# Altium PCB Copy of HV_DCDC.PcbDoc (continued)
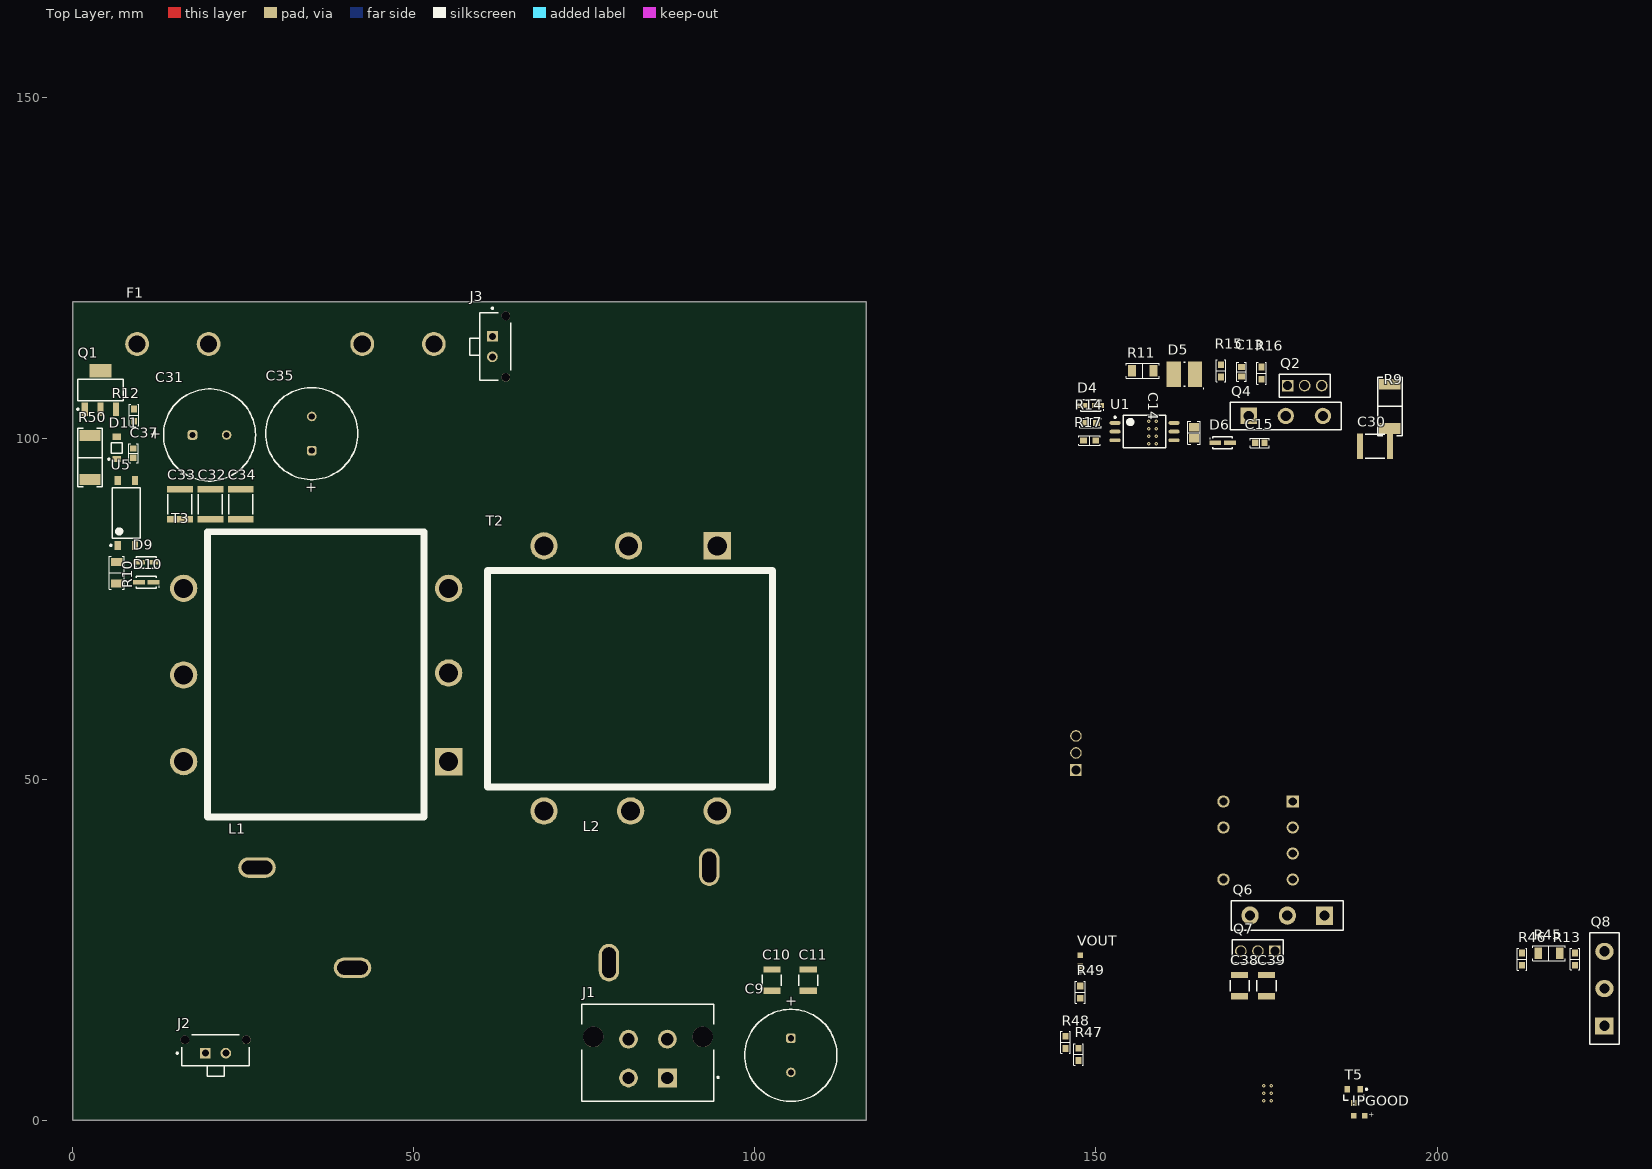
[diagram p0: Top Layer view]
## Part data
!PGOOD: library part 150060RS75000, "WL-SMCW SMT Mono-color Chip LED Waterclear, size 0603, Red, 2V, 140deg", Emitting Color=Red, Forward Voltage typ.=2V, Operating Temperature="-40 to +85degC", Chip Technology=AlInGaP, ComponentLink1Description=Manufacturer, ComponentLink1URL=http://www.we-online.de, ComponentLink2Description=Datasheet, ComponentLink2URL=https://www.we-online.com/catalog/datasheet/150060RS75000.pdf, Dominant Wavelength typ.=625nm, Luminous Intensity typ.=250mcd, Mounting Technology=SMT, Packaging="Tape and Reel", Part Number=150060RS75000, Peak Wavelength typ.=630nm, Published Date="December 2019", Publisher="Wurth Elektronik", Size=0603, Viewing Angle=140deg
C1 C2 C3 C5 C6 C13 C14 C15 C16 C17 C18 C20 C21 C22 C23 C24 C25 C26 C27 C37: "Capacitor with multiple Footprints"
C4 C7: library part 885342209007, "WCAP-CSMH Multilayer Ceramic Chip Capacitor, size 1210, X7R Class II, 22nF, 1000V", Capacitance=22nF, Capacitance Tolerance=+/-10%, Insulation Resistance=4.55GOhm, Manufacturer="Wurth Elektronik", Operating Temperature="-55 to +125degC", Rated Voltage=1000VDC, Ceramic Type="X7R Class II", ComponentLink1Description=Manufacturer, ComponentLink1URL=http://www.we-online.de, ComponentLink2Description=Datasheet, ComponentLink2URL=https://www.we-online.com/catalog/datasheet/885342209007.pdf, Dissipation Factor=2.5%, Height=1.6mm, Manufacturer Part Number=885342209007, Mounting Technology=SMT, Packaging="Tape and Reel", Published Date="May 2020", Size=1210, Technical Reference=X7R1210223KA00DFCT10000
C8 C12 C19 C28 C29 C30: library part 885342211008, "WCAP-CSMH Multilayer Ceramic Chip Capacitor, size 1812, X7R Class II, 4.7nF, 2000V", Capacitance=4.7nF, Capacitance Tolerance=+/-10%, Insulation Resistance=10GOhm, Manufacturer="Wurth Elektronik", Operating Temperature="-55 to +125degC", Rated Voltage=2000VDC, Ceramic Type="X7R Class II", ComponentLink1Description=Manufacturer, ComponentLink1URL=http://www.we-online.de, ComponentLink2Description=Datasheet, ComponentLink2URL=https://www.we-online.com/catalog/datasheet/885342211008.pdf, Dissipation Factor=2.5%, Height=2mm, Manufacturer Part Number=885342211008, Mounting Technology=SMT, Packaging="Tape and Reel", Published Date="May 2020", Size=1812, Technical Reference=X7R1812472KB00DFCT10000
C9: library part 860010478021, "WCAP-ATG8 Aluminum Electrolytic Capacitor, Radial, THT, D13xH25, 2200uF, 25V", Capacitance=2200uF, Capacitance Tolerance=+/-20%, Leakage Current=550uA, Manufacturer="Wurth Elektronik", Operating Temperature="-40 to +85degC", Rated Voltage=25VDC, Ripple Current=1705mA, ComponentLink1Description=Manufacturer, ComponentLink1URL=http://www.we-online.de, ComponentLink2Description=Datasheet, ComponentLink2URL=https://www.we-online.com/catalog/datasheet/860010478021.pdf, Diameter=13mm, Dissipation Factor=14%, Endurance=2000h, Height=25mm, Manufacturer Part Number=860010478021, Mounting Technology=THT, Packaging="Ammo Pack", Published Date="October 2020", Technical Reference=ATBI250222M025DSPACB000
C10 C11 C38 C39: library part 885012109014, "WCAP-CSGP Multilayer Ceramic Chip Capacitor, General Purpose, size 1210, X5R, 22uF, 25V", Capacitance=22uF, Capacitance Tolerance=+/-20%, Isolation Resistance  min.=0.005GOhm, Manufacturer="Wurth Elektronik", Operating Temperature="-55 to +85degC", Rated Voltage=25VDC, Ceramic Type=X5R, ComponentLink1Description=Manufacturer, ComponentLink1URL=http://www.we-online.de, ComponentLink2Description=Datasheet, ComponentLink2URL=https://www.we-online.com/catalog/datasheet/885012109014.pdf, Dissipation Factor max.=5%, Height=2.5mm, Manufacturer Part Number=885012109014, Mounting Technology=SMT, Packaging="Tape and Reel", Published Date="April 2021", Q-Factor min.=-, Size=1210, Technical Reference=X5R1210226M025DFCT10000
C31 C35: library part 860241478002, "WCAP-AT1H Aluminum Electrolytic Capacitor, Radial, THT, D13xH20mm, 6.8uF, 450V", Capacitance=6.8uF, Capacitance Tolerance=+/-20%, Leakage Current=222.4uA, Manufacturer="Wurth Elektronik", Operating Temperature="-25 to +105degC", Rated Voltage=450VDC, Ripple Current=240mA, ComponentLink1Description=Manufacturer, ComponentLink1URL=http://www.we-online.de, ComponentLink2Description=Datasheet, ComponentLink2URL=https://www.we-online.com/catalog/datasheet/860241478002.pdf, Diameter=13mm, Dissipation Factor=20%, Endurance=10000h, Height=20mm, Manufacturer Part Number=860241478002, Mounting Technology=THT, Packaging="Ammo Pack", Published Date="October 2020", Technical Reference=ATJI2006R8M450DSPACK000
C32 C33 C34: library part 885342211006, "WCAP-CSMH Multilayer Ceramic Chip Capacitor, size 1812, X7R Class II, 100nF, 630V", Capacitance=100nF, Capacitance Tolerance=+/-10%, Insulation Resistance=1GOhm, Manufacturer="Wurth Elektronik", Operating Temperature="-55 to +125degC", Rated Voltage=630VDC, Ceramic Type="X7R Class II", ComponentLink1Description=Manufacturer, ComponentLink1URL=http://www.we-online.de, ComponentLink2Description=Datasheet, ComponentLink2URL=https://www.we-online.com/catalog/datasheet/885342211006.pdf, Dissipation Factor=2.5%, Height=2mm, Manufacturer Part Number=885342211006, Mounting Technology=SMT, Packaging="Tape and Reel", Published Date="May 2020", Size=1812, Technical Reference=X7R1812104K630DFCT10000
C36: library part 885342211010, "WCAP-CSMH Multilayer Ceramic Chip Capacitor, size 1812, X7R Class II, 2.2nF, 3000V", Capacitance=2.2nF, Capacitance Tolerance=+/-10%, Insulation Resistance=10GOhm, Manufacturer="Wurth Elektronik", Operating Temperature="-55 to +125degC", Rated Voltage=3000VDC, Ceramic Type="X7R Class II", ComponentLink1Description=Manufacturer, ComponentLink1URL=http://www.we-online.de, ComponentLink2Description=Datasheet, ComponentLink2URL=https://www.we-online.com/catalog/datasheet/885342211010.pdf, Dissipation Factor=2.5%, Height=2.5mm, Manufacturer Part Number=885342211010, Mounting Technology=SMT, Packaging="Tape and Reel", Published Date="May 2020", Size=1812, Technical Reference=X7R1812222KC00DFCT10000
D1 D4 D6: library part BAT46WH, Supplier 1=Mouser
D2 D3: "Schottky 1A 200V SOD-123HE", Manufacturer="Pan Jit", Manufacturer Part Number=SS10200HE_R1_00001, Pricing 1="1=0,40000, 10=0,30100, 100=0,17040, 500=0,11286, 1000=0,08653 (USD)", RoHS=Yes, Stock 1=9000, Supplier 1=DigiKey
D5: "Silicon Ultra Fast Recovery Rectifier 1000V 30A 2-Pin SMB Surface Mount T/R", Average Rectified Current=1A, Case/Package=SMB, Forward Voltage=1.7V, Manufacturer="Central Semiconductor", Max Repetitive Reverse Voltage (Vrrm)=1kV, Max Reverse Current=5uA, Category="Rectifier Diodes", ComponentLink1Description=http://www.mouser.com/ds/2/68/cmr1u-01-34700.pdf?src-supplier=Mouser, ComponentLink1URL=http://www.mouser.com/ds/2/68/cmr1u-01-34700.pdf?src-supplier=Mouser, ComponentLink2Description=https://www.centralsemi.com/get_document.php?cmp=1&mergetype=pd&mergepath=pd&pdf_id=CMR1U-01.PDF&src-supplier=Digi-Key, ComponentLink2URL=https://www.centralsemi.com/get_document.php?cmp=1&mergetype=pd&mergepath=pd&pdf_id=CMR1U-01.PDF&src-supplier=Digi-Key, ComponentLink3Description=http://www.centralsemi.com/pdf/CMR1U-01.PDF?src-supplier=Future+Electronics, ComponentLink3URL=http://www.centralsemi.com/pdf/CMR1U-01.PDF?src-supplier=Future+Electronics, ComponentLink4Description=https://my.centralsemi.com/get_document.php?cmp=1&amp;mergetype=pd&amp;mergepath=pd&amp;pdf_id=CMR1U-01.PDF&src-supplier=Digi-Key, ComponentLink4URL=https://my.centralsemi.com/get_document.php?cmp=1&amp;mergetype=pd&amp;mergepath=pd&amp;pdf_id=CMR1U-01.PDF&src-supplier=Digi-Key, Lead Free="Lead Free", Manufacturer Part Number=CMR1U-10TR13, Max Reverse Voltage (DC)=1kV, Mount="Surface Mount", Packaging="Tape and Reel", Pricing 1="1=1,16000, 10=1,03800, 100=0,80960, 500=0,66880, 1000=0,52800 (USD)", Reverse Recovery Time=100ns, RoHS=No, RoHS Compliant=No, Supplier 1=Digi-Key
D11: library part CMP-1060-00328-1, "Zener Voltage Regulator, 500 mW, 2-Pin SOD-123, Pb-Free, Tape and Reel", Manufacturer="On Semiconductor", ComponentLink1Description="Manufacturer URL", ComponentLink1URL=http://www.onsemi.com/, ComponentLink2Description=Datasheet, ComponentLink2URL=http://www.onsemi.com/pub_link/Collateral/MMSZ4678T1-D.PDF, ComponentLink3Description="Package Specification", ComponentLink3URL=http://www.onsemi.com/pub_link/Collateral/425-04.PDF, DatasheetVersion="Rev. 9", Mounting Technology="Surface Mount", P Max (W)=0.5, PackageDescription="2-Pin SOD, Body 1.6 x 2.69 mm", PackageReference=SOD-123-2-425-04, PackageVersion="Rev. G, 10/2009", Packing="Tape and Reel", PartNumber=MMSZ4707T1G, RoHS=Pb-Free, VZ Typ (V)=20
J1: library part CMP-04776-000102-1, "CONN HEADER VERT 4POS 5.7MM", Current Rating=23A, Manufacturer=Molex, Temperature="-40°C to +120°C", Temperature Range High=+120°C, Temperature Range Low=-40°C, Voltage Rating=600V, Automotive=No, Category=Conn, ComponentLink2Description=Datasheet, ComponentLink2URL=https://www.molex.com/webdocs/datasheets/pdf/en-us/1720650004_PCB_HEADERS.pdf, Conn Gender=Male, Conn Orientation=Vertical, Contact Material=Gold,Nickel, Device Class L1=Connectors, Device Class L2="Headers and Wire Housings", Device Class L3=unset, Digikey Description="CONN HEADER VERT 4POS 5.7MM", Footprint Url=https://www.molex.com/pdm_docs/sd/1720650004_sd.pdf, Height=15.05mm, Lead Free=Yes, Manufacturer Part Number=1720650004, Mouser Description="Headers & Wire Housings Mega-Fit Vert Hdr Assy 4 ckt 15u Au", Number Of Contacts=4, Number Of Rows=2, Octopart=https://octopart.com/172065-0004-molex-34473112, Package=1720650004, Pitch=5.7mm, RoHS=TRUE
J2 J3: library part CMP-04776-000041-1, "CONN HEADER VERT 2POS 3MM", Current Rating=8.5A, Manufacturer=Molex, Package=0, Temperature="-40°C to +105°C", Temperature Range High=+105°C, Temperature Range Low=-40°C, Voltage Rating=600V, Automotive=No, Category=Conn, ComponentLink2Description=Datasheet, ComponentLink2URL=https://www.molex.com/webdocs/datasheets/pdf/en-us/0436500229_PCB_HEADERS.pdf, Conn Gender=Male, Conn Orientation=Vertical, Contact Material=Gold,Nickel, Device Class L1=Connectors, Device Class L2="Headers and Wire Housings", Device Class L3=unset, Digikey Description="CONN HEADER VERT 2POS 3MM", Footprint Url=https://www.molex.com/pdm_docs/sd/436500229_sd.pdf, Height=10.15mm, Lead Free=Yes, Manufacturer Part Number=43650-0229, Mouser Description="Headers & Wire Housings MicroFit 3.0 SR V TH Peg 30Au 2Ckt", Number Of Contacts=2, Number Of Rows=1, Octopart=https://octopart.com/43650-0229-molex-7652326, Pitch=3mm, RoHS=TRUE
L1 L2: "Shielded Power Inductors", ComponentLink1Description=Coilcraft, ComponentLink1URL=https://www.coilcraft.com/en-us/products/power/shielded-inductors/high-current-flat-wire/agp-ver/agm2222/?skuId=30439, ComponentLink2Description=Datasheet, ComponentLink2URL=https://www.coilcraft.com/getmedia/d4f4984d-2507-4e11-ae3d-89829a15fb28/agm2222.pdf
Q1: "IPN70R450P7S Series 700 V 10 A 7.1 W CoolMOS P7 Power Transistor - PG-SOT-223", Case/Package=SOT-223, Drain to Source Voltage (Vdss)=700V, Manufacturer=Infineon, Max Operating Temperature=150°C, Min Operating Temperature=-40°C, Category="Power Management ICs", ComponentLink1Description=https://www.infineon.com/dgdl/Infineon-IPN70R450P7S-DS-v02_00-EN.pdf?fileId=5546d4625f2e26bc015f526728366b78&src-supplier=Digi-Key, ComponentLink1URL=https://www.infineon.com/dgdl/Infineon-IPN70R450P7S-DS-v02_00-EN.pdf?fileId=5546d4625f2e26bc015f526728366b78&src-supplier=Digi-Key, Halogen Free="Halogen Free", Lead Free="Contains Lead", Manufacturer Part Number=IPN70R450P7SATMA1, Max Dual Supply Voltage=700V, Mount="Surface Mount", Pricing 1="1=1,00000, 10=0,89700, 100=0,69970, 500=0,57798, 1000=0,50700 (USD)", RoHS=Yes, RoHS Compliant=Yes, Stock 1=595, Supplier 1=Digi-Key
Q2: "N-channel 1050 V, 1.4 Ohm typ., 4 A MDmesh K5 Power MOSFETs in TO-220FP package", Case/Package=TO-220-3, Continuous Drain Current (ID)=4A, Drain to Source Voltage (Vdss)=1.05kV, Input Capacitance=380pF, Manufacturer=STMicroelectronics, Max Operating Temperature=150°C, Max Power Dissipation=25W, Min Operating Temperature=-55°C, Category=MOSFETs, ComponentLink1Description=http://www.mouser.com/ds/2/389/stf7n105k5-955843.pdf?src-supplier=Mouser, ComponentLink1URL=http://www.mouser.com/ds/2/389/stf7n105k5-955843.pdf?src-supplier=Mouser, ComponentLink2Description=http://www.st.com/content/ccc/resource/technical/document/datasheet/26/20/d1/f7/b4/c1/4c/55/DM00112886.pdf/files/DM00112886.pdf/jcr:content/translations/en.DM00112886.pdf?src-supplier=Digi-Key, ComponentLink2URL=http://www.st.com/content/ccc/resource/technical/document/datasheet/26/20/d1/f7/b4/c1/4c/55/DM00112886.pdf/files/DM00112886.pdf/jcr:content/translations/en.DM00112886.pdf?src-supplier=Digi-Key, ComponentLink3Description=http://www.st.com/st-web-ui/static/active/en/resource/technical/document/datasheet/DM00112886.pdf?src-supplier=Avnet, ComponentLink3URL=http://www.st.com/st-web-ui/static/active/en/resource/technical/document/datasheet/DM00112886.pdf?src-supplier=Avnet, ComponentLink4Description=http://www.farnell.com/datasheets/2371890.pdf?src-supplier=Newark, ComponentLink4URL=http://www.farnell.com/datasheets/2371890.pdf?src-supplier=Newark, Lead Free="Lead Free", Manufacturer Part Number=STF7N105K5, Mount="Through Hole", Packaging=Rail/Tube, Pricing 1="1=3,16000, 10=2,71000, 100=2,16000, 500=1,87000, 1000=1,61000 (USD)", Rds On Max=2R, RoHS=Yes, RoHS Compliant=Yes, Stock 1=996, Supplier 1=Newark
Q3 Q7: "Transistor Power MOSFET N-Channel 80V 191A 3-Pin TO-220 Tube", Manufacturer=Infineon, Category=Uncategorized, Manufacturer Part Number=IPP019N08NF2SAKMA1, Pricing 1="1=3,34000, 10=2,99500, 100=2,45420, 500=2,09760 (USD)", RoHS=No, Stock 1=760, Supplier 1=Digi-Key
Q4: "Sicfet N-ch 1200V 18.4A TO247-3", Manufacturer=UnitedSiC, Manufacturer Part Number=UJ3C120150K3S, Pricing 1="1=9,16000, 10=8,28000, 50=7,90000, 100=7,90000, 1000=5,96000, 10000=5,15000 (USD)", RoHS=No, Stock 1=697, Supplier 1=Mouser
Q5: "N-channel 1000 V, 6.25 Ohm typ., 1.85 A, Zener-protected SuperMESH Power MOSFET in DPAK package", Case/Package=DPAK, Continuous Drain Current (ID)=1.85A, Drain to Source Breakdown Voltage=1kV, Drain to Source Resistance=8.5R, Gate to Source Voltage (Vgs)=30V, Input Capacitance=499pF, Manufacturer=STMicroelectronics, Max Operating Temperature=150°C, Max Power Dissipation=70W, Min Operating Temperature=-55°C, Package Quantity=2500, Threshold Voltage=3.75V, Category=MOSFETs, ComponentLink1Description=https://datasheet.ciiva.com/8025/1561863-8025045.pdf?src-supplier=Element14, ComponentLink1URL=https://datasheet.ciiva.com/8025/1561863-8025045.pdf?src-supplier=Element14, ComponentLink2Description=https://datasheet.ciiva.com/25625/0900766b810e895b-25625259.pdf?src-supplier=RSComponents, ComponentLink2URL=https://datasheet.ciiva.com/25625/0900766b810e895b-25625259.pdf?src-supplier=RSComponents, ComponentLink3Description=https://datasheet.ciiva.com/938/cd00159991-938647.pdf?src-supplier=Digi-Key, ComponentLink3URL=https://datasheet.ciiva.com/938/cd00159991-938647.pdf?src-supplier=Digi-Key, ComponentLink4Description=https://datasheet.ciiva.com/6380/cd00159991-6380217.pdf?src-supplier=Digi-Key, ComponentLink4URL=https://datasheet.ciiva.com/6380/cd00159991-6380217.pdf?src-supplier=Digi-Key, ComponentLink5Description=https://datasheet.ciiva.com/16220/cd00159991-16220233.pdf?src-supplier=Future+Electronics, ComponentLink5URL=https://datasheet.ciiva.com/16220/cd00159991-16220233.pdf?src-supplier=Future+Electronics, ComponentLink6Description=https://datasheet.ciiva.com/6380/cd00159991-6380219.pdf?src-supplier=Digi-Key, ComponentLink6URL=https://datasheet.ciiva.com/6380/cd00159991-6380219.pdf?src-supplier=Digi-Key, Contact Plating=Tin,Matte, Drain to Source Voltage (Vdss)=1kV, Drain-source On Resistance-Max=8.5R, Element Configuration=Single, Height=2.4mm, Lead Free="Lead Free", Length=6.6mm, Manufacturer Part Number=STD2NK100Z, Mount="Surface Mount", Number of Elements=1, Number of Pins=3, On-State Resistance=8.5R, Packaging="Tape and Reel", Polarity=N-CHANNEL, Power Dissipation=70W, Pricing 1="1=2,45000, 10=2,19600, 100=1,76550, 500=1,45048, 1000=1,31862 (USD)", Radiation Hardening=No, Rds On Max=8.5R, REACH SVHC="No SVHC", RoHS=Yes, RoHS Compliant=Yes, Series=SuperMESH™, Stock 1=2365, Supplier 1=Digi-Key, Turn-Off Delay Time=41.5ns, Turn-On Delay Time=7.2ns, Width=6.2mm
Q6 Q8: "Mosfet N-ch 250V 240A TO264", Manufacturer=IXYS, Manufacturer Part Number=IXFK240N25X3, Pricing 1="1=30,00000, 10=27,67000, 50=25,40000, 100=24,04000, 1000=24,04000, 10000=24,04000 (USD)", RoHS=No, Stock 1=7, Supplier 1=Mouser
R1 R2 R4 R5 R6 R7 R8 R10 R11 R12 R13 R14 R15 R16 R17 R18 R19 R22 R23 R24 R25 R26 R27 R28 R29 R30 R31 R32 R33 R34 R35 R36 R37 R38 R39 R41 R42 R43 R44 R46 R47 R48 R49: "Resistor with multiple footprints"
R3 R9 R20 R21 R40 R45 R50: library part "SMD Resistor", "Resistor with multiple footprints"
T1: "WE Transformer"
T2 T3: "High Voltage Transformer"
T4: "Pulse Transformer 1: 1 1500VDC 0.6Ohm Prim. DCR 0.6Ohm Sec. DCR 6 Terminal SMD Automotive", DC Resistance (DCR)=600mR, Manufacturer=Pulse, Max Operating Temperature=130°C, Min Operating Temperature=-40°C, Package Quantity=1500, Category=Transformers, ComponentLink1Description=https://datasheet.ciiva.com/29632/spm2007-61-29632613.pdf?src-supplier=Digi-Key, ComponentLink1URL=https://datasheet.ciiva.com/29632/spm2007-61-29632613.pdf?src-supplier=Digi-Key, ComponentLink2Description=https://datasheet.ciiva.com/29632/+spm2007-61-29632614.pdf?src-supplier=Digi-Key, ComponentLink2URL=https://datasheet.ciiva.com/29632/+spm2007-61-29632614.pdf?src-supplier=Digi-Key, ComponentLink3Description=https://datasheet.ciiva.com/2939/+spm2007-61-2939805.pdf?src-supplier=Digi-Key, ComponentLink3URL=https://datasheet.ciiva.com/2939/+spm2007-61-2939805.pdf?src-supplier=Digi-Key, Depth=8.64mm, Height=2.5mm, Length=6.73mm, Manufacturer Part Number=PE-68386NLT, Mount="Surface Mount", Number of Pins=6, Packaging="Tape and Reel", Pricing 1="1=2,70000, 10=2,16000, 25=1,75520, 50=1,71000, 100=1,66500, 250=1,62000, 500=1,60650 (USD)", Primary Impedance=600mR, Radiation Hardening=No, RoHS=Yes, RoHS Compliant=Yes, Secondary Impedance=600mR, Shielding=Unshielded, Stock 1=13846, Supplier 1=Digi-Key, Termination=SMD/SMT, Turns Ratio=1:1, Weight=0.009877oz, Width=6.7mm
T5: library part CMP-1048-00679-1, "General Purpose Transistor, NPN Silicon, 3-Pin SOT-23, Pb-Free, Tape and Reel", Manufacturer="On Semiconductor", ComponentLink1Description="Manufacturer URL", ComponentLink1URL=http://www.onsemi.com/, ComponentLink2Description=Datasheet, ComponentLink2URL=http://www.onsemi.cn/pub_link/Collateral/BC846ALT1-D.PDF, ComponentLink3Description="Package Specification", ComponentLink3URL=http://www.onsemi.cn/pub_link/Collateral/318-08.PDF, DatasheetVersion="Rev. 11", fT Min (MHz)=100, IC Continuous (A)=0.1, Mounting Technology="Surface Mount", PackageDescription="3-Pin Small Outline Transistor, Body 2.92 x 1.3 mm, Pitch 0.95 mm", PackageReference=SOT-23-3-318-08, PackageVersion="Rev. AP, 11/2009", Packing="Tape and Reel", PartNumber=BC848BLT1G, Polarity=NPN, RoHS=TRUE
U1: "Logic IC Output Optocoupler, 1-Element, 3750V Isolation", Case/Package=SOIC, Forward Current=4mA, Forward Voltage=1.55V, High Level Output Current=2A, Input Current=11mA, Isolation Voltage=3.75kV, Manufacturer="Broadcom Avago", Max Input Current=25mA, Max Operating Temperature=105°C, Max Output Current=2.5A, Max Power Dissipation=550mW, Min Operating Temperature=-40°C, Operating Supply Voltage=20V, Output Current=1A, Package Quantity=100, Approvals=CSA,UR,UL,IEC, Category=Optocouplers, Fall Time=8ns, Low Level Output Current=2A, Manufacturer Part Number=ACPL-P346-000E, Mount="Surface Mount", Number of Channels=1, Number of Pins=6, Output Voltage=20V, Packaging=Rail/Tube, Pricing 1="1=5,00000, 10=3,53300, 100=2,89340, 500=2,43922, 1000=2,38050 (USD)", Propagation Delay=120ns, Pulse Width Distortion (PWD)=50ns, Radiation Hardening=No, REACH SVHC="No SVHC", Rise Time=8ns, RoHS=Yes, RoHS Compliant=Yes, Stock 1=1063, Supplier 1=Digi-Key, Turn-On Delay Time=120ns
U2: "Current Mode PWM Controller 100kHz to 500kHz Automotive 31-Pin TSSOP EP Tube", Case/Package=TSSOP, Frequency=500kHz, Manufacturer="Analog Devices / Linear Technology", Max Operating Temperature=125°C, Max Supply Voltage=16V, Min Operating Temperature=-40°C, Min Supply Voltage=10.5V, Supplier Part Number 1=LT3752EFE-1#PBF-ND, Category="Voltage Regulators - Switching", Clock Sync=Yes, ComponentLink1Description=https://datasheet.ciiva.com/46429/1841069-46429096.pdf?src-supplier=Element14, ComponentLink1URL=https://datasheet.ciiva.com/46429/1841069-46429096.pdf?src-supplier=Element14, Manufacturer Part Number=LT3752EFE-1#PBF, Max Duty Cycle=95%, Number of Output Phases=1, Number of Outputs=1, Number of Pins=38, Packaging=Rail/Tube, Pricing 1="1=8,12000, 10=7,33800, 25=6,99720, 100=6,07550, 250=5,80244, 500=5,31300 (USD)", REACH SVHC="No SVHC", RoHS=Yes, RoHS Compliant=Yes, Stock 1=108, Supplier 1=Digi-Key, Switching Frequency=500kHz, Synchronous Rectifier=Yes, Topology="Forward Converter"
U3: "LT8311 - Synchronous Rectifier Controller with Opto-Coupler Driver for Forward Converters", Case/Package=TSSOP, Manufacturer="Analog Devices / Linear Technology", Max Operating Temperature=150°C, Max Supply Voltage=30V, Min Operating Temperature=-40°C, Min Supply Voltage=3.7V, Operating Supply Current=4.5mA, Package Quantity=74, Category="Gate Drivers", ComponentLink1Description=https://datasheet.ciiva.com/46423/1810721-46423691.pdf?src-supplier=Element14, ComponentLink1URL=https://datasheet.ciiva.com/46423/1810721-46423691.pdf?src-supplier=Element14, ComponentLink2Description=https://datasheet.ciiva.com/29699/44625-29699311.pdf?src-supplier=Digi-Key, ComponentLink2URL=https://datasheet.ciiva.com/29699/44625-29699311.pdf?src-supplier=Digi-Key, Manufacturer Part Number=LT8311EFE#PBF, Mount="Surface Mount", Number of Pins=20, Packaging=Rail/Tube, Pricing 1="1=7,34000, 10=6,63200, 25=6,32360, 100=5,49060, 250=5,24384, 500=4,80150 (USD)", REACH SVHC="No SVHC", RoHS=Yes, RoHS Compliant=Yes, Supplier 1=Digi-Key
U4: "Optocoupler DC-IN 1-CH Transistor DC-OUT 4-Pin SSOP Embossed T/R", Case/Package=SOIC, Collector Emitter Voltage (VCEO)=300mV, Manufacturer=CEL, Output Current per Channel=30mA, Output Voltage=80V, Package Quantity=3500, Category=Optocouplers, Collector-emitter Voltage-Max=300mV, ComponentLink1Description=https://datasheet.ciiva.com/2088/ps2801c-1-ps2801c-4-2088034.pdf?src-supplier=Digi-Key, ComponentLink1URL=https://datasheet.ciiva.com/2088/ps2801c-1-ps2801c-4-2088034.pdf?src-supplier=Digi-Key, Input Type=DC, Lead Free="Lead Free", Manufacturer Part Number=PS2801C-1-V-F3-A, Mount="Surface Mount", Number of Channels=1, Packaging="Tape and Reel", RoHS=Yes, Series=NEPOC, Supplier 1=Digi-Key
U5: library part CMP-2000-07234-1, "Optocoupler, Phototransistor Output, VCEO 70 V, -55 to 100 degC, 4-Pin SOP (SOP4L), RoHS, Tape and Reel", Manufacturer=Vishay/Semiconductor, Maximum Collector Current=50mA, Maximum Collector Emitter Saturation Voltage=300mV, Maximum Collector Emitter Voltage=70V, Maximum Current Transfer Ratio @ Current=600%, Maximum Forward Voltage=1.6V, Maximum Input Current=60mA, Maximum Power Dissipation=250mW, Maximum Reverse Voltage=6V, Minimum Isolation Voltage=5000Vrms, Operating Temperature=-40to100°C, Package=4SOP, Package Description="4-Pin Small Outline Package Integrated Circuit, Body 4.1 x 7.5 mm, Pitch 2.54 mm", Package Reference=SOP4L, Typical Forward Voltage=1.25V, Category=TransistorandPhotovoltaicOutputPhotoCouplers, Datasheet URL=http://www.vishay.com/docs/83515/tclt1000.pdf, Datasheet Version="Rev. 2.9, 12/2015", Input Type=DC, Manufacturer URL=http://www.vishay.com/, Mounting Technology=SurfaceMount, Number of Channels per Chip=1, Output Type=DC, Packaging=Tape&Reel
VOUT: library part 150060GS75000, "WL-SMCW SMT Mono-color Chip LED Waterclear, size 0603, Green, 3.2V, 140deg", Emitting Color=Green, Forward Voltage typ.=3.2V, Operating Temperature="-40 to +85degC", Chip Technology=InGaN, ComponentLink1Description=Manufacturer, ComponentLink1URL=http://www.we-online.de, ComponentLink2Description=Datasheet, ComponentLink2URL=https://www.we-online.com/catalog/datasheet/150060GS75000.pdf, Dominant Wavelength typ.=525nm, Luminous Intensity typ.=430mcd, Mounting Technology=SMT, Packaging="Tape and Reel", Part Number=150060GS75000, Peak Wavelength typ.=515nm, Published Date="December 2019", Publisher="Wurth Elektronik", Size=0603, Viewing Angle=140deg
D7 D8 D9 D10: Supplier 1=Mouser

## Via types
v1: diameter 0.5, hole 0.2, Top Layer to Bottom Layer, 14 vias

## Nets (pads, with @x,y where several pads share a name; then routed paths per layer and width w, separated by ;. In a path a pad name is that pad's centre, name@x,y a point inside that pad or via, vN(x,y) a via of type N, cw(c..) or ccw(c..) an arc to the next point about the centre after c; other vN are vias at no path point)
12V: C38.1 C39.1 L1.2 Q6.3 Q7.3
!PGOOD: R48.1 T5.1 U3.13
+24: C9.1 C10.1 C11.1 C26.2 J1.3 J1.4 L2.2 R42.1 R49.1
+24V: D10.1
AOUT: D4.2 R14.1 U2.32
CG: Q6.1 Q8.1 U3.16
COMP: R28.1 U2.5
CSN: R46.2 U3.18
CSP: R13.2 U3.20
DCDC_EN: D9.2 D10.2 R10.2
FB_HV: R28.2 R29.1 U2.4
FG: Q3.1 Q7.1 U3.5
GND: C2.1 C3.1 C4.1 C5.1 C6.2 C7.1 C9.2 C10.2 C11.2 C17.2 C18.1 C20.2 C21.2 C22.1 C24.1 C25.2 C32.2 C33.2 C34.2 C35.2 C36.1 C36.2 C38.2 C39.2 J1.1 J1.2 J3.2 Q3.3 R3.2 R8.2 R17.1 R18.1 R19.2 R22.2 R25.2 R26.2 R27.2 R30.2 R31.1 R33.2 R37.2 R38.2 R39.2 R40.2 R41.2 R44.1 R45.1 R46.1 T1.5 T1.7 T4.3 T4.4 T5.2 U2.18 U2.19 U2.20 U2.38 U2.39 U3.1 U3.3 U3.21 U4.2 U5.2 VOUT.1
  other v1: 174.615,2.877 175.715,2.877 174.615,3.977 175.715,3.977 174.615,5.077 175.715,5.077 157.724,99.188 158.824,99.188 157.724,100.288 158.824,100.288 157.724,101.388 158.824,101.388 157.724,102.488 158.824,102.488
HFB: C6.1 R7.2 R8.1 U2.1
HI_SENSE: C2.2 R2.1 U2.36
HOUT: Q5.1 U2.34
HVIN+: F1.2 J3.1
HVIN+_FIL: C1.1 C4.2 C7.2 R1.1 R5.1 R20.1 R21.2 T1.1
HVIN+_Fused: C31.1 C32.1 C33.1 C34.1 F1.1 Q1.2 R50.2
HVIN+_Switched: C30.1 C37.1 D11.2 Q1.3 R5.2 R9.2 R12.1 T2.1 T3.1
INTVCC: C18.2 C24.2 D8.1 R6.2 R34.1 U2.26
INTVCC_unfil: C5.2 D3.1 R6.1 R7.1 R11.2
LV_ACCU_IN: D9.1 J2.1
Net!PGOOD_1: !PGOOD.1 T5.3
Net!PGOOD_2: !PGOOD.2 R47.1
NetC1_2: C1.2 D1.2 R1.2
NetC3_2: C3.2 D2.1 R4.2
NetC8_1: C8.1 C12.1 C19.1 C28.1 C29.1 R9.1
NetC8_2: C8.2 C12.2 C19.2 C28.2 C29.2 C30.2 Q2.2
NetC13_1: C13.1 C15.1 D6.2 Q2.1 R15.2 R16.2
NetC13_2: C13.2 R15.1 U1.5
NetC14_1: C14.1 D5.1 U1.6
NetC16_1: C16.1 R18.2
NetC16_2: C16.2 U2.2
NetC17_1: C17.1 U2.7
NetC21_1: C21.1 U3.14
NetC23_1: C23.1 R39.1
NetC23_2: C23.2 U3.10
NetC25_1: C25.1 U2.17
NetC26_1: C26.1 R41.1 R42.2 U3.11
NetC27_2: C27.2 T4.1
NetC31_2: C31.2 C35.1
NetC37_2: C37.2 D11.1 R50.1 U5.4
NetD1_1: D1.1 Q5.2 T1.3
NetD2_2: D2.2 T1.8
NetD3_2: D3.2 T1.4
NetD4_1: D4.1 R14.2 U1.1
NetD5_2: D5.2 R11.1
NetD7_1: D7.1 R21.1
NetL1_1: L1.1 Q8.2 T3.8
NetL2_1: L2.1 Q6.2 T2.8
NetQ1_1: Q1.1 R12.2 U5.3
NetQ3_2: Q3.2 T3.6
NetQ4_1: Q4.1 R24.2
NetQ4_3: Q4.3 R32.2 R36.2 R40.1
NetQ5_3: Q5.3 R2.2 R3.1
NetQ7_2: Q7.2 T2.6
NetQ8_3: Q8.3 R13.1 R45.2
NetR10_1: R10.1 U5.1
NetR17_2: R17.2 U1.3
NetR19_1: R19.1 U2.3
NetR20_2: R20.2 R23.1 U2.9
NetR22_1: R22.1 U2.8
NetR23_2: R23.2 R25.1 U2.10
NetR24_1: R24.1 U2.24
NetR26_1: R26.1 U2.11
NetR27_1: R27.1 R29.2 U4.3
NetR30_1: R30.1 U2.12
NetR31_2: R31.2 R32.1 U2.22
NetR33_1: R33.1 U2.13
NetR34_2: R34.2 U4.4
NetR35_1: R35.1 U4.1
NetR35_2: R35.2 U3.9
NetR36_1: R36.1 U2.21
NetR37_1: R37.1 U3.12
NetR38_1: R38.1 U2.14
NetR43_1: R43.1 T4.6
NetR49_2: R49.2 VOUT.2
SOUT: C27.1 U2.30
SWP: C14.2 C15.2 D6.1 Q2.3 Q4.2 R16.1 T2.5 T3.5 U1.4
SYNC: R43.2 R44.2 U3.15
V_AUX: C20.1 R4.1 R47.2 R48.2 U3.6 U3.7 U3.8
VIN_LT3: C22.2 D7.2 D8.2 U2.28
pads on no net: J1. J2. J2.2 J3. Q1.4 T1.2 T2.0 T2.7 T3.0 T3.7 U1.2 U2.6 U2.15 U2.16 U2.37

## Text inside footprints (layer, text, board x,y; h text height)
!PGOOD: Top Overlay "+" at 190.695,0.375 h0.76 r90
C9: Top Overlay "+" at 106.02,16.6 h1.5 r90
C31: Top Overlay "+" at 12.991,101.194 h1.5 r180
C35: Top Overlay "+" at 34.315,93.596 h1.5 r270
VOUT: Top Overlay "+" at 147.401,21.268 h0.76